# Altium PCB Mother_board_SSL2018.PcbDoc (part 2 of 2)
Units mm, origin at the board's own origin, x right, y up, seen from the top; angles counter-clockwise.
Board outline 169 x 150.57 mm, 2 copper layers (Top Layer, Bottom Layer), stack 1.57 mm thick; 100 components, 103 nets, 445 pads, 331 vias.
Unrouted connection lines stored in the file: 4.
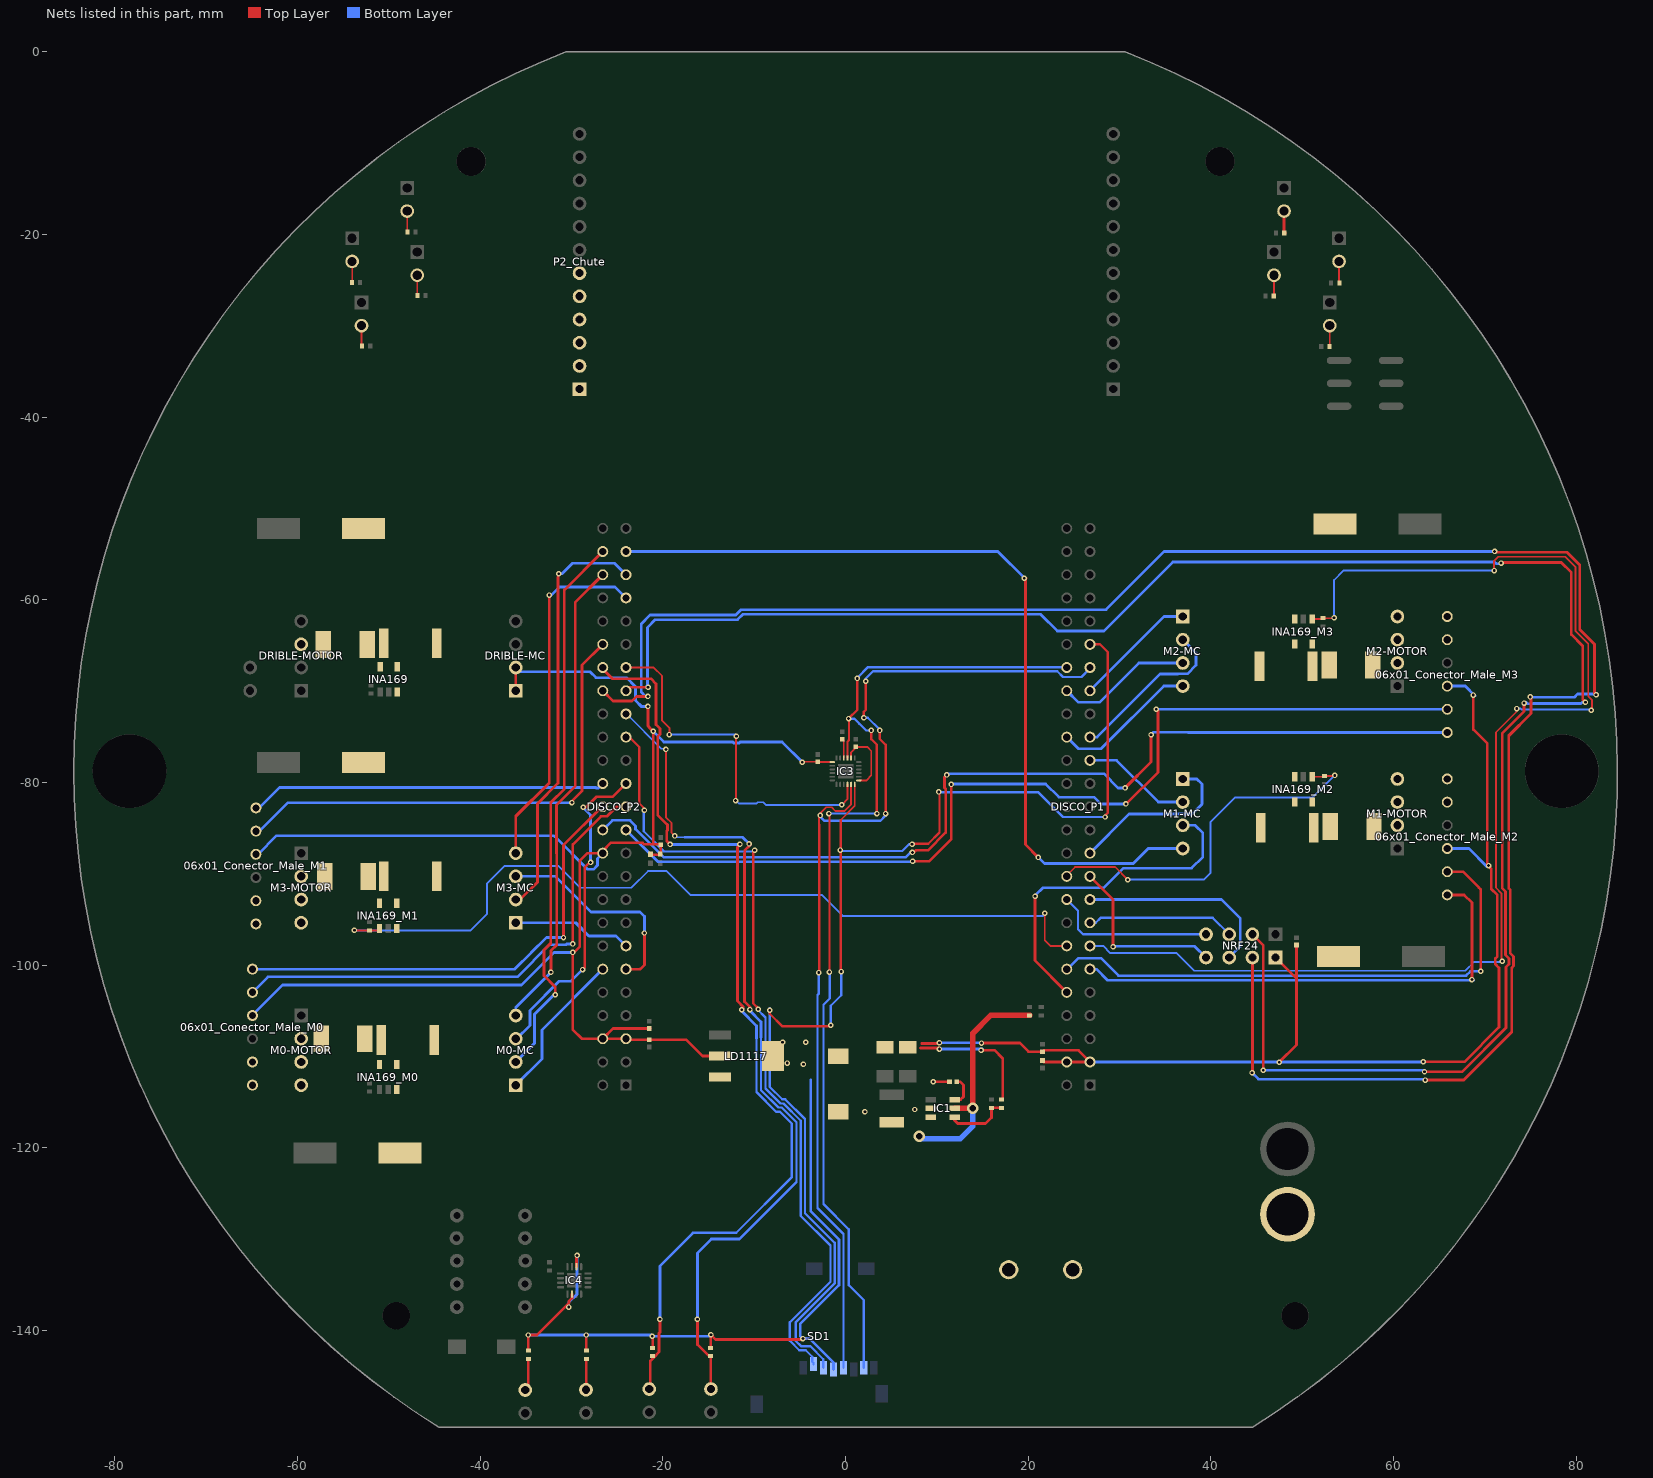
[diagram p2: the nets of this part, all layers, seen from the top]

## Via types
v1: diameter 0.6, hole 0.3, Top Layer to Bottom Layer, 167 vias
v2: diameter 0.8, hole 0.6, Top Layer to Bottom Layer, 160 vias
v3: diameter 1.27, hole 0.711, Top Layer to Bottom Layer, 4 vias

## Nets (pads, with @x,y where several pads share a name; then routed paths per layer and width w, separated by ;. In a path a pad name is that pad's centre, name@x,y a point inside that pad or via, vN(x,y) a via of type N, cw(c..) or ccw(c..) an arc to the next point about the centre after c; other vN are vias at no path point) (continued)
M0_ENCA: 06x01_Conector_Male_M0.2 DISCO_P2.25 | length 55.7
  Top Layer w0.3: v1(-29.863,-97.674) -29.863,-89.102 -29.863,-86.763 -26.802,-83.702 -26.153,-83.702 -25.103,-82.651 DISCO_P2.25@-24.048,-82.651
  Bottom Layer w0.3: 06x01_Conector_Male_M0.2@-64.942,-102.971 -63.242,-101.271 -35.927,-101.271 -32.402,-97.746 -30.602,-97.746 -30.53,-97.674 v1(-29.863,-97.674)
M0_ENCB: 06x01_Conector_Male_M0.1 DISCO_P2.26 | length 51.6
  Top Layer w0.3: v1(-30.888,-96.971) -30.888,-86.856 -26.683,-82.651 DISCO_P2.26@-26.588,-82.651
  Bottom Layer w0.3: 06x01_Conector_Male_M0.1@-64.942,-100.431 -36.223,-100.431 -34.413,-98.621
  Bottom Layer w0.32: -34.413,-98.621 -32.763,-96.971 v1(-30.888,-96.971)
M0_MAH: DISCO_P2.46 M0-MC.0 | length 52.4
  Top Layer w0.3: v1(-32.263,-100.771) -32.263,-98.407 -31.625,-97.769 -31.625,-97.295 -31.638,-97.282 -31.638,-96.661 -31.625,-96.648 -31.625,-87.759 -31.65,-87.734 -31.65,-82.458 -29.608,-80.416 -29.608,-60.271 DISCO_P2.46@-26.588,-57.251
  Bottom Layer w0.3: M0-MC.0@-36.113,-105.511 -36.113,-104.621 v1(-32.263,-100.771) v1@-32.263,-100.621
M0_MAL: DISCO_P2.27 M0-MC.1 | length 35.6
  Top Layer w0.3: v1(-28.8,-100.475) -28.575,-100.25 -28.575,-89.3 v1@-27.975,-88.7 ; v1(-28.725,-82.7) -28.4,-82.7 -27.25,-81.55 -25.487,-81.55 DISCO_P2.27@-24.048,-80.111
  Bottom Layer w0.3: M0-MC.1@-36.113,-108.051 -36.026,-108.051 -34.563,-106.588 -34.563,-104.961 -31.352,-101.75 -30.075,-101.75 v1(-28.8,-100.475) ; v1@-28.7,-82.775 -27.925,-83.55 v1(-27.925,-88.75)
M0_MBH: DISCO_P2.48 M0-MC.2 | length 61.6
  Top Layer w0.3: v1(-31.788,-103.246) -31.788,-102.371 -33.013,-101.146 -33.013,-98.321 -32.288,-97.596 -32.288,-82.196 -30.793,-80.701 -30.793,-58.916 DISCO_P2.48@-26.588,-54.711
  Bottom Layer w0.3: M0-MC.2@-35.608,-110.591 M0-MC.2@-36.113,-110.591 -34.063,-108.541 -34.063,-105.371 -31.788,-103.096 v1(-31.788,-103.246)
M0_MBL: DISCO_P2.12 M0-MC.3 | length 16.6
  Bottom Layer w0.3: M0-MC.3@-36.113,-113.131 -33.238,-110.256 -33.238,-107.081 DISCO_P2.12@-26.588,-100.431
M1_CUR: DISCO_P1.14 INA169_M1.1 R10_M1.2 | length 92.5
  Top Layer w0.2: v1(-53.782,-96.182) R10_M1.2@-52.115,-96.182 -51.251,-96.182 INA169_M1.1@-51.033,-95.964 ; v1(21.8,-94.3) 21.8,-97.275 22.416,-97.891 DISCO_P1.14@24.212,-97.891
  Bottom Layer w0.2: v1(-53.782,-96.182) -41.057,-96.182 -39.275,-94.4 -39.275,-91.075 -37.321,-89.121 -31.454,-89.121 -29.05,-91.525 -23.45,-91.525 -23.45,-91.51 -21.64,-89.7 -19.6,-89.7 -16.997,-92.303 -2.622,-92.303 -0.325,-94.6 21.6,-94.6
M1_ENCA: 06x01_Conector_Male_M1.2 DISCO_P2.40 | length 54.5
  Top Layer w0.3: v1(-29.963,-82.196) -29.963,-82.027 -28.863,-80.927 -28.863,-67.146 DISCO_P2.40@-26.588,-64.871
  Bottom Layer w0.3: 06x01_Conector_Male_M1.2@-64.561,-85.318 -64.185,-85.318 -61.088,-82.221 v1@-30.038,-82.221
M1_ENCB: 06x01_Conector_Male_M1.1 DISCO_P2.28 | length 39.1
  Bottom Layer w0.3: 06x01_Conector_Male_M1.1@-64.561,-82.778 -64.22,-82.778 -61.992,-80.55 -27.346,-80.55 -27.294,-80.603 -27.079,-80.603 DISCO_P2.28@-26.588,-80.111
M1_MAH: DISCO_P2.43 M3-MC.0 | length 39.1
  Top Layer w0.3: M3-MC.0@-36.113,-87.731 -36.113,-83.696 -32.438,-80.021 v1(-32.438,-59.471) v1@-32.438,-59.396
  Bottom Layer w0.3: v1(-32.438,-59.471) -32.213,-59.471 -31.338,-58.596 -25.243,-58.596 DISCO_P2.43@-24.048,-59.791
M1_MAL: DISCO_P2.11 M3-MC.1 | length 23.2
  Top Layer w0.3: DISCO_P2.11@-24.048,-100.431 -22.475,-100.431 -22.475,-100.425 -22.025,-99.975 v1@-22.025,-96.675
  Bottom Layer w0.3: M3-MC.1@-36.113,-90.271 -31.779,-90.271 -27.879,-94.171 -22.5,-94.171 -22.025,-94.646 v1(-22.025,-96.475)
M1_MBH: DISCO_P2.45 M3-MC.2 | length 45.9
  Top Layer w0.3: M3-MC.2@-36.113,-92.811 -35.628,-92.811 -33.738,-90.921 -33.738,-82.321 -31.488,-80.071 -31.488,-57.496
  Bottom Layer w0.3: v1(-31.413,-57.146) -31.063,-57.146 -29.913,-55.996 -25.303,-55.996 DISCO_P2.45@-24.048,-57.251
M1_MBL: DISCO_P2.13 M3-MC.3 | length 13.1
  Bottom Layer w0.32: M3-MC.3@-36.113,-95.351 -29.558,-95.351 -28.113,-96.796 -25.143,-96.796 DISCO_P2.13@-24.048,-97.891
M2_CUR: DISCO_P1.20 INA169_M2.1 R10_M2.2 | length 40.7
  Top Layer w0.2: DISCO_P1.20@24.212,-90.271 24.212,-90.163 25.125,-89.25 29.5,-89.25 v1(30.9,-90.65) ; INA169_M2.1@51.07,-79.371 52.315,-79.371 R10_M2.2@52.406,-79.28 v1@53.471,-79.28
  Bottom Layer w0.2: v1@31.025,-90.625 39.225,-90.625 39.95,-89.9 39.95,-84.3 42.6,-81.65 51.108,-81.65 v1(53.537,-79.221)
M2_ENCA: 06x01_Conector_Male_M2.2 DISCO_P1.12 | length 60.3
  Top Layer w0.3: 06x01_Conector_Male_M2.2@65.868,-89.763 67.604,-89.763 69.337,-91.496 69.325,-91.508 69.525,-91.708 v1(69.525,-100.675)
  Bottom Layer w0.3: DISCO_P1.12@24.212,-100.431 24.294,-100.431 25.5,-99.225 27.95,-99.225 29.871,-101.146 67.933,-101.146 68.405,-100.675 v1(69.525,-100.675)
M2_ENCB: 06x01_Conector_Male_M2.1 DISCO_P1.11 | length 54
  Top Layer w0.3: 06x01_Conector_Male_M2.1@65.868,-92.303 67.719,-92.303 68.567,-93.151 v1(68.567,-101.574)
  Bottom Layer w0.3: DISCO_P1.11@26.752,-100.431 27.447,-100.431 28.662,-101.646 v1@68.751,-101.646
M2_MAH: DISCO_P2.47 M1-MC.0 | length 92.9
  Top Layer w0.3: v1@19.737,-57.621 19.687,-57.671 19.687,-86.796 v1(21.087,-88.196)
  Bottom Layer w0.3: DISCO_P2.47@-24.048,-54.711 16.652,-54.711 v1(19.562,-57.621) ; v1@21.012,-88.096 21.787,-88.871 31.487,-88.871 33.135,-87.223 M1-MC.0@36.912,-87.223
M2_MAL: DISCO_P1.10 M1-MC.1 | length 37.2
  Top Layer w0.3: v1(20.737,-92.446) 20.737,-99.496 DISCO_P1.10@24.212,-102.971
  Bottom Layer w0.3: v1@20.787,-92.321 21.583,-91.525 28.25,-91.525 30.404,-89.371 37.887,-89.371 39.112,-88.146 39.112,-85.521 38.274,-84.683 M1-MC.1@36.912,-84.683
M2_MBH: DISCO_P1.29 M1-MC.2 | length 12.1
  Bottom Layer w0.3: DISCO_P1.29@26.752,-77.571 29.662,-77.571 34.234,-82.143 M1-MC.2@36.912,-82.143
M2_MBL: DISCO_P1.21 M1-MC.3 | length 19
  Bottom Layer w0.32: DISCO_P1.21@26.752,-87.731 31.037,-83.446 37.937,-83.446 39.012,-82.371 39.012,-80.171 38.444,-79.603 M1-MC.3@36.912,-79.603
M3_CUR: DISCO_P1.13 INA169_M3.1 R10_M3.2 | length 135
  Top Layer w0.2: INA169_M3.1@51.07,-62.099 52.188,-62.099 R10_M3.2@52.279,-62.008 v1@53.399,-62.008 ; v1(71,-56.8) 70.975,-56.775 70.975,-55.765 71.462,-55.278 78.778,-55.278 79.9,-56.4 79.9,-63.4 81.3,-64.8 81.3,-70.535 81.7,-70.935 81.7,-72 v1(81.625,-72.075) ; v1(71.875,-99.575) 71.8,-99.5 71.8,-92.123 71.2,-91.523 71.2,-74.5 73.475,-72.225 v1(73.475,-71.9)
  Bottom Layer w0.2: DISCO_P1.13@26.752,-97.891 28.202,-97.891 28.985,-98.675 36.25,-98.675 38.175,-100.6 67.843,-100.6 68.793,-99.65 71.575,-99.65 ; v1(53.475,-61.95) 53.475,-57.825 54.5,-56.8 v1(71,-56.8) ; v1(73.475,-71.9) 73.885,-71.9 73.985,-72 81.55,-72 v1(81.625,-72.075)
M3_ENCA: 06x01_Conector_Male_M3.2 DISCO_P2.23 | length 108.2
  Top Layer w0.3: v1(7.325,-88.625) 9.125,-88.625 11.575,-86.175 v1(11.575,-80.214) ; v1@30.712,-82.371 34.187,-78.896 34.187,-72.146 v1(34.012,-71.971)
  Bottom Layer w0.3: DISCO_P2.23@-24.193,-85.296 DISCO_P2.23@-23.943,-85.296 ; DISCO_P2.23@-24.048,-85.191 DISCO_P2.23@-23.943,-85.296 ; v1(7.325,-88.625) 7.33,-88.625 7.38,-88.675 -20.564,-88.675 DISCO_P2.23@-23.943,-85.296 ; v1@11.6,-80.15 21.9,-80.15 23.351,-81.601 27.187,-81.601 27.932,-82.346 v1(30.687,-82.346) ; v1(34.012,-71.971) 37.525,-71.971 37.537,-71.983 06x01_Conector_Male_M3.2@65.868,-71.983
M3_ENCB: 06x01_Conector_Male_M3.1 DISCO_P2.24 | length 107
  Top Layer w0.3: v1(7.316,-87.654) 7.354,-87.654 7.4,-87.7 7.675,-87.425 9,-87.425 10.95,-85.475 10.95,-80.714 10.825,-80.589 10.825,-79.408 v1(11.062,-79.171) ; v1@30.612,-80.571 33.437,-77.746 v1(33.437,-74.771)
  Bottom Layer w0.3: DISCO_P2.24@-26.588,-85.191 -25.538,-84.141 -23.613,-84.141 -22.998,-84.757 -22.998,-85.102 -19.925,-88.175 6.589,-88.175 7.114,-87.65 7.119,-87.654 v1(7.316,-87.654) ; v1@11.262,-79.096 11.333,-79.025 28.266,-79.025 29.837,-80.596 v1(30.587,-80.596) ; v1(33.437,-74.771) 33.712,-74.496 37.458,-74.496 37.485,-74.523 06x01_Conector_Male_M3.1@65.868,-74.523
M3_MAH: DISCO_P1.32 M2-MC.0 | length 16.1
  Bottom Layer w0.3: DISCO_P1.32@24.212,-75.031 25.487,-76.306 27.977,-76.306 34.84,-69.443 M2-MC.0@36.912,-69.443
M3_MAL: DISCO_P1.36 M2-MC.1 | length 15
  Bottom Layer w0.3: DISCO_P1.36@24.212,-69.951 25.482,-71.221 27.787,-71.221 32.105,-66.903 M2-MC.1@36.912,-66.903
M3_MBH: DISCO_P1.31 M2-MC.2 | length 18.3
  Bottom Layer w0.3: DISCO_P1.31@26.752,-75.031 27.527,-75.031 34.437,-68.121 36.397,-68.121 36.415,-68.103 37.409,-68.103 38.362,-67.151 38.362,-65.813 M2-MC.2@36.912,-64.363
M3_MBL: DISCO_P1.35 M2-MC.3 | length 13.5
  Bottom Layer w0.3: DISCO_P1.35@26.752,-69.951 26.752,-69.931 34.86,-61.823 M2-MC.3@36.912,-61.823
MA_M0: 06x01_Conector_Male_M0.5 M0-MOTOR.1
MA_M1: 06x01_Conector_Male_M1.5 M3-MOTOR.1
MA_M2: 06x01_Conector_Male_M2.5 M1-MOTOR.1
MA_M3: 06x01_Conector_Male_M3.5 M2-MOTOR.1
MB_M0: 06x01_Conector_Male_M0.6 M0-MOTOR.0
MB_M1: 06x01_Conector_Male_M1.6 M3-MOTOR.0
MB_M2: 06x01_Conector_Male_M2.6 M1-MOTOR.0
MB_M3: 06x01_Conector_Male_M3.6 M2-MOTOR.0
MPU_CS: DISCO_P2.37 IC3.22 | length 40
  Top Layer w0.2: DISCO_P2.37@-24.048,-67.411 -21.023,-67.411 -20.1,-68.334 -20.1,-73.225 -19.3,-74.025 v1(-19.3,-74.75) ; v1(-12.05,-81.975) -12,-81.925 -12,-74.975 v1(-11.95,-74.925) ; v1(-0.425,-82.425) -0.393,-82.425 0.2,-81.832 IC3.22@0.2,-80.214
  Bottom Layer w0.2: v1(-19.3,-74.75) -12.125,-74.75 v1(-11.95,-74.925) ; v1@-12,-81.975 -11.675,-82.3 -9.765,-82.3 -9.615,-82.15 -9.035,-82.15 -8.71,-82.475 -0.475,-82.475 v1(-0.425,-82.425)
NetBAT_0: BAT.0 SW.0
NetC1_1: C1.1 IC1.6 | length 3.3
  Top Layer w0.3: IC1.6@11.923,-114.721 12.589,-114.721 12.909,-114.401 12.909,-113.131 12.528,-112.75 C1.1@12.166,-112.75
NetC1_2: C1.2 IC1.2 L1.1 | length 1.8
  Top Layer w0.3: v1(9.607,-112.75) C1.2@11.366,-112.75
  other v1: 2.114,-116.052 7.575,-115.798
NetC1_M0_2: FM_M0.1 M0-MOTOR.2
NetC1_M1_2: FM_M1.1 M3-MOTOR.2
NetC1_M2_2: FM_M2.1 M1-MOTOR.2
NetC1_M3_2: FM_M3.1 M2-MOTOR.2
NetC5_1: C5.1 IC3.10 | length 2
  Top Layer w0.2: IC3.10@-0.2,-77.318 C5.1@-0.2,-75.325
NetC7_1: C7.1 IC3.1 IC3.8 | length 7.5
  Top Layer w0.2: IC3.8@0.6,-77.314 0.6,-76.697 1.197,-76.1 2.35,-76.1 2.8,-76.55 2.8,-79.225 2.3,-79.765 IC3.1@1.5,-79.765
NetCON_DM_1: DF.1 DRIBLE-MOTOR.1
NetDF_2: DF.2 INA169.5 RD1.1
NetFM_M0_2: FM_M0.2 INA169_M0.5 R11_M0.1
NetFM_M1_2: FM_M1.2 INA169_M1.5 R11_M1.1
NetFM_M2_2: FM_M2.2 INA169_M2.5 R11_M2.1
NetFM_M3_2: FM_M3.2 INA169_M3.5 R11_M3.1
NetIC1_4: IC1.4 R1.1 R2.2 | length 7
  Top Layer w0.3: IC1.4@11.923,-116.621 11.923,-116.971 12.274,-117.322 15.322,-117.322 15.957,-116.687 R2.2@15.957,-115.613 R1.1@17.061,-115.613
NetLED1_2: LED1.2 RL1.2 | length 3.4
  Top Layer w0.3: LED1.2@-34.737,-146.455 RL1.2@-34.737,-143.095
NetLED2_2: LED2.2 RL2.2 | length 3.4
  Top Layer w0.3: LED2.2@-28.387,-146.455 RL2.2@-28.387,-143.095
NetLED_BALL_L_2: LED_BALL_L.2 R29.2 | length 2.3
  Top Layer w0.2: R29.2@52.975,-32.25 53,-32.225 LED_BALL_L.2@53,-29.983
NetLED_BALL_R_2: LED_BALL_R.2 R30.2 | length 2.3
  Top Layer w0.2: LED_BALL_R.2@-53,-29.983 -53,-32.175 R30.2@-52.95,-32.225
NetLED_COM_L_2: LED_COM_L.2 R31.2 | length 2.4
  Top Layer w0.3: LED_COM_L.2@48,-17.441 48,-19.7 R31.2@48.125,-19.825
NetLED_COM_R_2: LED_COM_R.2 R32.2 | length 2.3
  Top Layer w0.2: LED_COM_R.2@-48,-17.441 -48,-19.7 R32.2@-47.975,-19.725
NetLED_GREEN_L_2: LED_GRE_L.2 R33.2 | length 2.3
  Top Layer w0.2: R33.2@46.875,-26.75 46.9,-26.725 LED_GRE_L.2@46.9,-24.46
NetLED_GREEN_R_2: LED_GRE_R.2 R34.2 | length 2.3
  Top Layer w0.2: LED_GRE_R.2@-46.9,-24.46 -46.9,-26.675 R34.2@-46.875,-26.7
NetLED_ORANGE_L_2: LED_ORA_L.2 R35.2 | length 2.4
  Top Layer w0.2: LED_ORA_L.2@54.025,-22.945 54.025,-25.275 R35.2@54.05,-25.3
NetLED_ORANGE_R_2: LED_ORA_R.2 R36.2 | length 2.3
  Top Layer w0.2: R36.2@-54.05,-25.275 -54.025,-25.25 LED_ORA_R.2@-54.025,-22.945
NRF_CE: DISCO_P2.35 NRF24.2 | length 218.2
  Top Layer w0.3: DISCO_P2.35@-24.048,-69.951 -23.672,-69.575 v1(-21.625,-69.575) ; NRF24.2@44.532,-96.621 45.732,-97.821 v1@45.732,-111.45 ; v1(63.375,-111.675) 67.475,-111.675 72.3,-106.85 72.3,-100.211 72.625,-99.886 72.625,-99.264 72.25,-98.889 72.25,-91.937 71.875,-91.562 71.875,-74.625 74.275,-72.225 v1(74.275,-71.3) ; v1(71.754,-55.978) 71.709,-55.978 71.631,-55.9 78.35,-55.9 79.45,-57 79.45,-63.8 80.7,-65.05 80.7,-70.925 v1(81,-71.225)
  Bottom Layer w0.3: v1@-21.775,-69.45 -21.7,-69.375 -21.7,-63.025 -20.846,-62.171 -11.82,-62.171 -11.224,-61.575 21.35,-61.575 23.175,-63.4 28.275,-63.4 35.825,-55.85 71.05,-55.85 71.25,-56.05 71.681,-56.05 v1(71.754,-55.978) ; v1(45.725,-111.5) v1@63.4,-111.5 ; v1(74.275,-71.3) 74.464,-71.3 74.514,-71.25 74.639,-71.375 75.261,-71.375 75.286,-71.35 80.514,-71.35 80.639,-71.225 v1(81,-71.225)
NRF_CS#: DISCO_P2.36 NRF24.6 | length 225
  Top Layer w0.3: DISCO_P2.36@-26.588,-69.951 -25.464,-71.075 -23.4,-71.075 -22.9,-70.575 v1(-21.64,-70.575) ; v1@44.532,-111.725 NRF24.6@44.532,-99.161 ; v1(63.453,-112.58) 67.67,-112.58 72.925,-107.325 72.925,-100.293 73.125,-100.093 73.125,-99.057 72.75,-98.682 72.75,-91.73 72.6,-91.58 72.6,-74.875 75.025,-72.45 75.025,-70.75 74.9,-70.625 v1(74.95,-70.625) ; v1(71.05,-54.7) 71.125,-54.775 78.95,-54.775 80.375,-56.2 80.375,-63.239 82,-64.864 82,-70.225 v1@82.275,-70.5
  Bottom Layer w0.3: v1(-21.64,-70.575) -21.9,-70.575 -22.375,-70.1 -22.375,-62.625 -21.421,-61.671 -12.027,-61.671 -11.431,-61.075 28.525,-61.075 34.925,-54.675 34.95,-54.7 v1(71.05,-54.7) ; v1(44.5,-111.775) 45.2,-112.475 63.348,-112.475 v1(63.453,-112.58) ; v1(74.95,-70.625) 75,-70.675 79.768,-70.675 80.143,-70.3 82.225,-70.3 82.154,-70.371 v1(82.154,-70.378)
NRF_IRQ: DISCO_P1.19 NRF24.4 | length 19.4
  Top Layer w0.3: DISCO_P1.19@26.752,-90.271 29.275,-92.794 v1(29.275,-97.975)
  Bottom Layer w0.3: v1@29.337,-97.871 29.387,-97.921 38.212,-97.921 NRF24.4@39.452,-99.161
S1: DISCO_P2.33 RS1.1 SEN1.2 | length 94.1
  Top Layer w0.2: v1(-19.675,-76.375) -19.675,-83.814 -19.063,-84.426 -19.063,-84.875 ; -19.063,-84.925 -19.063,-85.487 v1(-18.7,-85.85)
  Top Layer w0.3: v1@-16.207,-138.775 -16.207,-141.543 -14.925,-142.825 -14.809,-142.825 RS1.1@-14.775,-142.791 SEN1.2@-14.775,-146.278 ; v1(-10.476,-104.855) -10.476,-104.587 -11.075,-103.988 -11.075,-87.811 -11.05,-87.786 -11.05,-87.439 -10.425,-86.814 -10.425,-86.725 v1(-10.575,-86.725) -10.575,-86.654 -10.536,-86.614 v1@-10.461,-86.614
  Bottom Layer w0.2: DISCO_P2.33@-24.048,-72.491 -23.993,-72.491 -20.188,-76.296 v1@-19.6,-76.296 ; v1(-18.7,-85.85) -18.55,-86 -17.6,-86
  Bottom Layer w0.255: -11.625,-129.975 -5.383,-123.733 -5.383,-117.204 -6.999,-115.588 -7.356,-115.588 -9.257,-113.686 -9.257,-107.925
  Bottom Layer w0.3: -17.6,-86 -11.264,-86 -10.539,-86.725 v1(-10.575,-86.725) ; v1(-16.225,-138.75) -16.225,-131.5 -14.7,-129.975 -11.625,-129.975 ; v1(-10.476,-104.855) -10.476,-104.985 -9.257,-106.203 -9.257,-107.925
S2: DISCO_P2.38 RS2.1 SEN2.2 | length 104.8
  Top Layer w0.3: DISCO_P2.38@-26.588,-67.411 -26.588,-67.587 -25.55,-68.625 -21.325,-68.625 -20.75,-69.2 -20.75,-73.664 -20.325,-74.089 -20.325,-74.711 -20.575,-74.961 -20.575,-83.55 -19.55,-84.575 -19.55,-84.577 -19.513,-84.614 -19.513,-85.236 -19.575,-85.298 -19.575,-86.425 v1(-19.225,-86.775) ; SEN2.2@-21.382,-146.276 -21.382,-143.325 -21.15,-143.125 ; RS2.1@-21.125,-142.791 -21.15,-143.125 ; v1(-20.325,-138.75) -20.325,-140.2 -20.432,-140.307 -20.425,-140.314 -20.425,-142.324 -20.432,-142.331 -20.973,-142.929 -21.15,-143.125 ; v1(-11.575,-86.75) -11.575,-86.825 -11.85,-87.1 -11.85,-103.92 -11.226,-104.544 -11.226,-104.73 v1(-11.376,-104.88)
  Bottom Layer w0.255: -11.982,-129.3 -5.883,-123.2 -5.883,-117.347 -7.187,-116.043 -7.608,-116.043 -9.757,-113.893 -9.757,-108.035
  Bottom Layer w0.3: v1(-20.325,-138.75) -20.325,-132.925 -16.7,-129.3 -11.982,-129.3 ; v1(-19.225,-86.775) -11.7,-86.775 -11.65,-86.825 v1(-11.575,-86.75) ; v1(-11.376,-104.88) -11.376,-105.024 -9.757,-106.643 -9.757,-108.035
SPI1_MISO: DISCO_P1.18 NRF24.0 | length 18
  Bottom Layer w0.255: DISCO_P1.18@24.212,-92.811 25.437,-94.036 25.437,-96.071 25.987,-96.621 NRF24.0@39.452,-96.621
SPI1_MOSI: DISCO_P1.17 NRF24.5 | length 22.1
  Bottom Layer w0.3: DISCO_P1.17@26.752,-92.811 41.152,-92.811 43.192,-94.851 43.192,-97.961 NRF24.5@41.992,-99.161
SPI1_SCK: DISCO_P1.15 NRF24.1 | length 16.2
  Bottom Layer w0.255: DISCO_P1.15@26.752,-95.351 27.382,-95.351 27.912,-94.821 40.192,-94.821 NRF24.1@41.992,-96.621
SPI2.MISO: DISCO_P1.38 IC3.9 SD1.7 | length 113
  Top Layer w0.2: IC3.9@0.2,-77.314 0.2,-75.5
  Top Layer w0.255: v1(-1.825,-83.4) -1.775,-83.45 v1(-1.775,-100.75) ; 0.228,-75.5 0.375,-75.352 v1@0.375,-72.95 ; v1(0.325,-73) v1@0.375,-72.95 ; v1(1.275,-68.6) 1.275,-72.05 v1@0.375,-72.95 ; v1(2.8,-74.3) 2.8,-75.25 3.425,-75.875 v1(3.425,-83.4)
  Bottom Layer w0.255: v1(-1.825,-83.4) v1(3.425,-83.4) ; v1@-1.725,-100.75 -1.725,-103.625 -2.42,-104.32 -2.42,-126.155 0.35,-128.925 0.35,-135.025 1.974,-136.649 SD1.7@1.974,-144.07 ; v1(0.325,-73) 0.954,-73 1.004,-73.05 1.501,-73.548 2.254,-74.3 v1(2.8,-74.3) ; v1@1.35,-68.475 2.459,-67.366 24.167,-67.366 DISCO_P1.38@24.212,-67.411
SPI2.MOSI: DISCO_P1.39 IC3.24 SD1.3 | length 136.9
  Top Layer w0.2: -0.55,-84.106 1,-82.556 1,-82.475 IC3.24@1,-80.214
  Top Layer w0.255: v1(-8.3,-104.925) -8.3,-105.325 -6.925,-106.7 -1.725,-106.7 v1@-1.65,-106.625 ; v1@-0.55,-100.5 -0.55,-84.106 ; v1@7.425,-86.7 9.05,-86.7 10.278,-85.472 10.278,-81.102 v1(10.2,-81.025) ; DISCO_P1.39@26.752,-64.871 27.846,-64.871 28.7,-65.725 28.7,-83.325 28.4,-83.625 v1(28.4,-83.775)
  Bottom Layer w0.255: v1@-8.325,-104.725 -8.325,-113.3 -6.947,-114.678 -6.622,-114.678 -4.45,-116.85 -4.45,-127.15 -1.208,-130.392 -1.208,-134.835 -5.475,-139.102 -5.475,-141.104 -4.879,-141.7 -3.883,-141.7 -2.45,-143.133 -2.45,-144.046 SD1.3@-2.426,-144.07 ; v1(-1.625,-106.575) -1.625,-104.45 -0.475,-103.3 v1(-0.475,-100.7) ; v1@-0.55,-87.5 6.2,-87.5 6.946,-86.754 v1(7.275,-86.754) ; v1@10.1,-81.05 21.075,-81.05 23.8,-83.775 v1(28.4,-83.775)
  other v1: -0.575,-87.4
SPI2.SCK: DISCO_P1.37 IC3.23 SD1.5 | length 117.9
  Top Layer w0.2: -2.9,-84.55 -2.9,-83.485 -2.115,-82.7 -1.535,-82.7 -1.11,-83.125 -0.135,-83.125 0.6,-82.39 IC3.23@0.6,-80.214
  Top Layer w0.255: v1(-2.95,-100.8) -2.9,-100.75 -2.9,-84.6 ; v1(2,-72.9) 2,-72.25 2.2,-72.05 v1(2.2,-68.9) ; v1(3.725,-74.3) 3.725,-75.225 4.375,-75.875 v1(4.375,-83.4)
  Bottom Layer w0.255: v1(-2.95,-100.8) -2.95,-103.125 -3.075,-103.25 -3.075,-126.575 -0.226,-129.424 SD1.5@-0.226,-144.07 ; v1(-2.775,-83.6) -2.9,-83.6 -2.3,-84.2 3.8,-84.2 4.375,-83.625 v1(4.375,-83.4) ; v1(2,-72.9) 2.429,-72.9 3.725,-74.196 v1(3.725,-74.3) ; v1@2.175,-68.648 3.003,-67.821 23.168,-67.821 23.786,-68.439 25.811,-68.439 26.752,-67.498 DISCO_P1.37@26.752,-67.411
uSD_CS: DISCO_P2.31 SD1.2 | length 88
  Top Layer w0.255: DISCO_P2.31@-24.048,-75.031 -23.694,-75.031 -22.6,-76.125 -22.6,-82.276 v1@-21.85,-83.026 ; v1(-9.975,-87.425) -10.102,-87.552 -10.102,-104.199 -9.748,-104.554 -9.748,-104.652 v1(-9.575,-104.825)
  Bottom Layer w0.255: v1(-22.025,-83.026) -22.1,-83.101 -22.1,-85.325 -19.872,-87.552 -10.102,-87.552 v1(-9.975,-87.425) ; v1(-9.575,-104.825) -9.675,-104.825 -8.78,-105.72 -8.78,-113.488 -7.136,-115.133 -6.81,-115.133 -4.905,-117.038 -4.905,-127.445 -1.663,-130.687 -1.663,-134.646 -6.1,-139.083 -6.1,-141.122 -5.067,-142.155 -4.37,-142.155 -3.65,-142.875 -3.65,-143.433 -3.526,-143.557 SD1.2@-3.526,-143.67
VBAT: C4.2 CD.1 CM1_M0.1 CM1_M1.1 CM1_M2.1 CM1_M3.1 IC1.3 IC1.5 INA169.3 INA169.4 INA169_M0.3 INA169_M0.4 INA169_M1.3 INA169_M1.4 INA169_M2.3 INA169_M2.4 INA169_M3.3 INA169_M3.4 LD1117.3 P2_Chute.1 P2_Chute.2 P2_Chute.3 P2_Chute.4 P2_Chute.5 P2_Chute.6 R3.2 R11_M0.2 R11_M1.2 R11_M2.2 R11_M3.2 RD1.2 SW.1 | length 25.7
  Top Layer w0.6: IC1.5@11.923,-115.671 v3(13.925,-115.671) 13.925,-107.45 15.886,-105.489 R3.2@20.148,-105.489
  Bottom Layer w0.6: v3(8.075,-118.746) 8.304,-118.975 12.575,-118.975 13.925,-117.625 v3(13.925,-115.671)
VCC: 06x01_Conector_Male_M0.3 06x01_Conector_Male_M1.3 06x01_Conector_Male_M2.3 06x01_Conector_Male_M3.3 C2.2 C3.2 C6.1 DISCO_P1.3 DISCO_P1.4 DISCO_P2.5 DISCO_P2.6 DISCO_P2.22 DRIBLE-MC.2 DRIBLE-MC.3 IC3.13 IC4.6 IC4.14 L1.2 LD1117.2 LD1117.4 MC_C1.2 MC_C2.2 MC_C3.1 MC_C4.2 MC_C5.2 MC_R1.2 MC_R2.2 NRF24.7 NRF_C1.1 R1.2 RL1.1 RL2.1 RS1.2 RS2.2 SD1.4 | length 424.6
  Top Layer w0.2: v1@-4.475,-77.725 C6.1@-3.05,-77.725 ; C6.1@-3,-77.764 IC3.13@-1.5,-77.764
  Top Layer w0.3: DRIBLE-MC.3@-36.113,-69.951 DRIBLE-MC.2@-36.113,-67.411 ; RL1.1@-34.737,-142.195 v1(-34.737,-140.486) -33.786,-140.486 -30.275,-136.975 -30.275,-136.77 -29.96,-136.455 IC4.14@-29.96,-136.008 ; IC4.6@-29.46,-133.008 v1@-29.46,-131.91 ; RL2.1@-28.387,-142.195 -28.387,-140.867 ; v1(-21.64,-71.675) -21.64,-73.785 -21.5,-73.925 -21.525,-73.95 v1(-21.075,-74.4) -21.075,-86.771 -22.087,-86.771 -22.27,-86.588 -25.699,-86.588 -26.588,-87.477 DISCO_P2.22@-26.588,-87.731 -28.281,-87.731 -29.1,-88.55 -29.1,-97.971 -29.725,-98.596 v1(-29.863,-98.596) -29.863,-107.071 -28.883,-108.051 DISCO_P2.6@-26.588,-108.051 ; MC_C4.2@-21.381,-106.927 MC_C4.2@-21.508,-106.927 -25.464,-106.927 DISCO_P2.6@-26.588,-108.051 ; MC_R2.2@-21.363,-87.846 -21.313,-87.896 -20.263,-87.896 -20.238,-87.871 MC_C1.2@-20.238,-86.821 -20.288,-86.771 -21.025,-86.771 ; RS2.2@-21.125,-141.891 v1@-21.125,-140.65 ; RS1.2@-14.775,-141.891 -14.775,-140.75 ; v1@-14.775,-140.4 -14.775,-140.75 ; v1(-14.75,-140.45) -14.225,-140.975 -4.775,-140.975 v1(-4.675,-140.875) ; v1@-14.65,-140.625 -14.775,-140.75 ; LD1117.2@-13.761,-109.942 -15.68,-109.942 -17.471,-108.151 -23.948,-108.151 DISCO_P2.5@-24.048,-108.051 DISCO_P2.6@-26.588,-108.051 ; 8.21,-109.067 v1@10.275,-109.067 ; 8.337,-108.559 v1@10.35,-108.559 ; v1(14.825,-109.3) 16.3,-109.3 17.2,-110.2 17.2,-114.575 R1.2@17.061,-114.713 ; v1(14.875,-108.525) 19.083,-108.525 20.025,-109.467 MC_C2.2@21.545,-109.467 21.691,-109.321 25.482,-109.321 DISCO_P1.3@26.752,-110.591 DISCO_P1.4@24.212,-110.591 21.691,-110.591 MC_C3.1@21.545,-110.445 ; NRF24.7@47.072,-99.161 49.358,-101.447 ; v1(47.462,-110.621) 49.358,-108.725 49.358,-101.447 ; NRF_C1.1@49.358,-97.783 49.358,-101.447 ; v1(63.225,-110.575) 67.733,-110.575 71.525,-106.783 71.525,-100.286 71.125,-99.886 71.125,-99.264 71.35,-99.039 71.35,-92.309 70.687,-91.646 70.687,-89.446 70.387,-89.146 v1(70.387,-89.096) 70.25,-88.959 70.25,-75.725 68.725,-74.2 v1(68.725,-70.425)
  Bottom Layer w0.3: 06x01_Conector_Male_M0.3@-64.942,-105.511 -64.942,-105.45 -61.663,-102.171 -35.488,-102.171 -32.588,-99.271 ; 06x01_Conector_Male_M1.3@-64.561,-87.858 -64.325,-87.858 -62.288,-85.821 -31.95,-85.821 ; DRIBLE-MC.2@-36.113,-67.411 -35.653,-67.871 -27.988,-67.871 -27.342,-68.517 -23.997,-68.517 -22.998,-69.517 -22.998,-71.027 -22.325,-71.7 -22.3,-71.675 v1(-21.64,-71.675) ; v1(-34.737,-140.486) v1(-28.387,-140.486) -21.314,-140.486 v1(-21.175,-140.625) -14.825,-140.625 v1@-14.725,-140.525 ; -32.563,-99.246 -31.913,-98.596 v1(-29.863,-98.596) ; -31.836,-85.9 -28.236,-89.5 -27.614,-89.5 -27.175,-89.061 -27.175,-88.318 DISCO_P2.22@-26.588,-87.731 ; v1(-30.325,-137.425) -30.325,-136.95 -29.4,-136.025 v1(-29.4,-131.775) ; -20.825,-74.65 -19.9,-75.575 -12.361,-75.575 -12.261,-75.675 -11.639,-75.675 -11.539,-75.575 -6.95,-75.575 v1(-4.75,-77.775) ; -3.825,-112.571 -3.825,-126.925 -0.73,-130.02 -0.73,-135.033 -4.975,-139.277 -4.975,-140.575 v1(-4.675,-140.875) -3.955,-140.875 -1.326,-143.504 SD1.4@-1.326,-144.27 ; v1(10.275,-109.175) v1@14.975,-109.175 ; v1(10.275,-108.5) v1@14.85,-108.5 ; DISCO_P1.3@26.752,-110.591 v1@63.4,-110.591 ; 06x01_Conector_Male_M2.3@65.868,-87.223 68.239,-87.223 70.237,-89.221 70.362,-89.096 v1(70.387,-89.096) ; 06x01_Conector_Male_M3.3@65.868,-69.443 67.834,-69.443 v1@68.895,-70.505
  other v1: -4.617,-110.845 -6.395,-110.718 -6.903,-108.432 -4.363,-108.432
pads on no net: DISCO_P1.6 DISCO_P1.9 DISCO_P1.25 DISCO_P1.26 DISCO_P1.27 DISCO_P1.28 DISCO_P1.30 DISCO_P1.33 DISCO_P1.34 DISCO_P1.41 DISCO_P1.43 DISCO_P1.48 DISCO_P2.3 DISCO_P2.4 DISCO_P2.7 DISCO_P2.8 DISCO_P2.9 DISCO_P2.10 DISCO_P2.16 DISCO_P2.17 DISCO_P2.18 DISCO_P2.21 DISCO_P2.29 DISCO_P2.30 DISCO_P2.32 DISCO_P2.34 DISCO_P2.39 DISCO_P2.41 DISCO_P2.42 DISCO_P2.44 IC3.2 IC3.3 IC3.4 IC3.5 IC3.6 IC3.7 IC3.14 IC3.15 IC3.16 IC3.17 IC3.19 IC3.21 IC4.2 IC4.7 KICK.1 KICK.2 KICK.3 SD1.1 SD1.8 SD1.M1 SD1.M2 SD1.M3 SD1.M4

## Polygon pours and split planes (outlines as drawn)
GND on Top Layer "Top Layer-No Net" (solid, remove dead copper, pour order 123): 91.522,4.09 86.422,-1.519 86.422,-161.541 -103.293,-161.541 -109.186,-155.061 -98.42,-143.221 -98.42,1.098
NetFM_M0_2 on Top Layer "Top Layer-No Net" (solid, remove dead copper, pour order 118): -49.956,-104.958 -49.956,-111.5 -54.005,-111.5 -54.005,-104.958
NetFM_M1_2 on Top Layer "Top Layer-No Net" (solid, remove dead copper, pour order 114): -49.829,-91.668 -49.829,-87.295 -53.766,-87.295 -53.766,-93.925 -49.829,-93.925
VCC on Top Layer "Top Layer-No Net" (solid, remove dead copper, pour order 76): 8.591,-107.543 8.591,-110.591 1.352,-110.591 1.352,-111.861 -10.205,-111.861 -10.205,-110.972 -15.539,-110.972 -15.539,-108.559 -10.205,-108.559 -10.205,-107.543
VBAT on Top Layer "Top Layer-No Net" (solid, remove dead copper, pour order 68): 10.242,-116.116 3.384,-116.116 3.384,-121.061 10.242,-121.061
NetBAT_0 on Top Layer "Top Layer-No Net" (solid, remove dead copper, pour order 64): 51.425,-131.7 52.5,-130.625 52.5,-124.505 51.687,-123.672 44.628,-123.672 43.803,-124.497 43.803,-126.622 39.068,-131.357 31.707,-138.327 24.659,-138.3 21.831,-138.3 20.596,-137.065 20.596,-130.588 14.627,-130.588 14.627,-137.038 13.609,-138.256 10.944,-138.246 10.944,-146.051 34.284,-146.051 48.939,-131.612 49.027,-131.7
VBAT on Top Layer "Top Layer-No Net" (solid, remove dead copper, pour order 44): 57.232,-53.822 56.724,-54.33 49.479,-54.33 49.479,-75.031 49.479,-89.255 50.591,-90.271 54.692,-90.271 54.692,-97.372 55.085,-97.764 56.978,-97.764 57.232,-98.018 57.232,-100.177 56.851,-100.558 51.529,-100.558 50.591,-99.621 50.591,-94.97 50.12,-94.589 38.563,-94.589 37.166,-95.986 37.166,-125.198 29.165,-133.226 29.165,-136.644 28.311,-137.925 22.024,-137.925 21.15,-137.051 21.15,-132.742 19.776,-130.931 15.544,-130.931 13.277,-133.198 -13.761,-133.226 -13.763,-133.197 -15.16,-131.8 -15.159,-123.926 -16.428,-122.656 -16.428,-122.531 -43.142,-122.531 -50.72,-122.531 -53.004,-122.531 -53.676,-121.92 -53.676,-118.872 -53.004,-118.2 -49.956,-118.2 -49.46,-117.703 -49.461,-80.619 -49.448,-80.619 -49.956,-80.111 -56.56,-80.111 -57.07,-79.603 -57.07,-76.047 -56.433,-75.418 -50.045,-75.418 -49.405,-74.777 -49.448,-54.945 -49.956,-54.33 -55.29,-54.33 -55.864,-53.757 -55.864,-50.713 -55.29,-50.139 -49.829,-50.139 -49.349,-49.631 -49.346,-45.718 -41.83,-38.201 -34.07,-38.201 -31.922,-36.077 -31.922,-23.977 -30.906,-22.961 -27.223,-22.961 -26.207,-23.977 -26.207,-40.995 -29.242,-44.03 -38.132,-44.03 -40.56,-46.458 -40.56,-82.651 -40.56,-114.401 -39.29,-115.671 -15.793,-115.671 -15.793,-111.099 -11.729,-111.099 -11.729,-115.671 -8.808,-118.592 -8.808,-125.323 -8.454,-125.65 5.16,-125.65 5.16,-121.061 8.97,-121.061 8.97,-125.65 25.688,-125.65 30.511,-120.827 30.563,-92.43 33.482,-89.511 39.45,-89.509 39.45,-52.971 42.386,-49.551 56.47,-49.551 57.232,-50.313
DA on Top Layer "Top Layer-No Net" (solid, remove dead copper, pour order 3): -67.228,-68.825 -58.54,-68.825 -58.54,-66.141 -67.228,-66.141
MA_M1 on Top Layer "Top Layer-No Net" (solid, remove dead copper, pour order 13): -66.55,-94.325 -66.55,-91.785 -61.47,-91.785 -58.549,-91.785 -58.549,-94.325 -61.47,-94.325
MA_M2 on Top Layer "Top Layer-No Net" (solid, remove dead copper, pour order 21): 67.37,-80.947 62.29,-80.947 59.496,-80.947 59.496,-83.487 62.29,-83.487 67.37,-83.487
NetFM_M2_2 on Top Layer "Top Layer-No Net" (solid, remove dead copper, pour order 120): 54.565,-88.025 54.565,-81.437 50.374,-81.437 50.374,-83.215 50.374,-88.025
NetC1_2 on Top Layer "Top Layer-No Net" (solid, remove dead copper, pour order 27): 10.242,-114.909 10.242,-116.433 6.813,-116.433 6.813,-114.909
NetC1_M3_2 on Top Layer "Top Layer-No Net" (solid, remove dead copper, pour order 25): 54.799,-68.407 54.75,-68.456 54.75,-70.7 57.211,-70.7 59.622,-68.407 62.292,-68.407 62.292,-65.867 59.556,-65.867 57.585,-63.7 54.849,-63.65 54.799,-63.7
MB_M2 on Top Layer "Top Layer-No Net" (solid, remove dead copper, pour order 22): 67.392,-78.335 62.312,-78.335 59.518,-78.335 59.518,-80.875 62.312,-80.875 62.328,-80.859 67.392,-80.859
NetC1_M1_2 on Top Layer "Top Layer-No Net" (solid, remove dead copper, pour order 14): -58.675,-89.001 -57.195,-87.223 -54.823,-87.223 -54.8,-87.2 -54.8,-93.5 -57.225,-93.5 -58.575,-91.541 -59.608,-91.541 -61.513,-91.541 -61.513,-89.001
NetFM_M3_2 on Top Layer "Top Layer-No Net" (solid, remove dead copper, pour order 122): 54.147,-70.675 54.147,-63.616 50.224,-63.616 50.224,-70.675
NetC1_2 on Top Layer "Top Layer-No Net" (solid, remove dead copper, pour order 26): 3.257,-114.782 3.257,-117.322 -2.331,-117.322 -2.331,-114.782
MA_M3 on Top Layer "Top Layer-No Net" (solid, remove dead copper, pour order 23): 67.5,-63.099 59.487,-63.099 59.487,-65.506 67.5,-65.506
MB_M3 on Top Layer "Top Layer-No Net" (solid, remove dead copper, pour order 24): 67.427,-60.32 62.347,-60.32 59.553,-60.32 59.553,-62.86 62.347,-62.86 67.427,-62.86
MB_M1 on Top Layer "Top Layer-No Net" (solid, remove dead copper, pour order 12): -66.525,-96.75 -66.525,-94.21 -58.524,-94.21 -58.524,-96.75
MA_M0 on Top Layer "Top Layer-No Net" (solid, remove dead copper, pour order 11): -67.228,-111.861 -67.228,-109.321 -62.148,-109.321 -58.54,-109.321 -58.54,-111.861 -62.148,-111.861
MB_M0 on Top Layer "Top Layer-No Net" (solid, remove dead copper, pour order 10): -67.25,-115.099 -67.251,-112.01 -62.171,-112.01 -58.563,-112.01 -58.563,-115.099
NetC1_M0_2 on Top Layer "Top Layer-No Net" (solid, remove dead copper, pour order 15): -58.581,-106.781 -57.409,-104.958 -55.175,-104.958 -55.175,-111.525 -57.409,-111.52 -58.604,-109.321 -59.608,-109.321 -62.148,-109.321 -62.148,-106.781
NetC1_M2_2 on Top Layer "Top Layer-No Net" (solid, remove dead copper, pour order 20): 55.864,-87.939 55.9,-87.975 57.875,-87.975 57.875,-87.925 59.7,-86.06 62.586,-86.06 62.586,-83.52 59.51,-83.52 57.586,-81.55 55.889,-81.55 55.864,-81.525
NetCON_DM_1 on Top Layer "Top Layer-No Net" (solid, remove dead copper, pour order 1): -58.601,-63.601 -57.025,-62.025 -54.425,-62.025 -54.425,-67.7 -56.991,-67.7 -58.498,-66.141 -61.767,-66.141 -61.767,-63.601
DB on Top Layer "Top Layer-No Net" (solid, remove dead copper, pour order 2): -67.228,-71.475 -58.54,-71.475 -58.54,-68.935 -67.228,-68.935
NetDF_2 on Top Layer "Top Layer-No Net" (solid, remove dead copper, pour order 0): -53.575,-62.05 -53.575,-68.173 -49.892,-68.173 -49.892,-62.05
GND on Bottom Layer "Top Layer-No Net" (solid, remove dead copper, pour order 112): 118.446,11.837 118.446,-164.693 118.7,-164.947 113.747,-169.9 -103.804,-169.9 -103.804,-2.133 -94.406,7.265
DA on Bottom Layer "Top Layer-No Net" (solid, remove dead copper, pour order 5): -67.228,-66.143 -58.54,-66.143 -58.54,-68.683 -67.228,-68.683
MA_M2 on Bottom Layer "Top Layer-No Net" (solid, remove dead copper, pour order 19): 67.397,-80.685 62.317,-80.685 59.523,-80.685 59.523,-83.225 62.317,-83.225 67.397,-83.225
MB_M0 on Bottom Layer "Top Layer-No Net" (solid, remove dead copper, pour order 9): -67.194,-115.074 -67.194,-112.135 -62.114,-112.135 -58.506,-112.135 -58.506,-115.074
MB_M1 on Bottom Layer "Top Layer-No Net" (solid, remove dead copper, pour order 7): -67.15,-97.15 -67.15,-94.435 -62.07,-94.435 -58.462,-94.435 -58.462,-97.15
MA_M3 on Bottom Layer "Top Layer-No Net" (solid, remove dead copper, pour order 17): 67.351,-63.035 62.271,-63.035 59.477,-63.035 59.477,-65.725 67.351,-65.725
MB_M3 on Bottom Layer "Top Layer-No Net" (solid, remove dead copper, pour order 16): 67.389,-60.155 59.515,-60.155 59.515,-63.025 62.309,-63.025 67.389,-63.025
MB_M2 on Bottom Layer "Top Layer-No Net" (solid, remove dead copper, pour order 18): 67.389,-77.949 62.386,-77.949 59.515,-77.949 59.515,-80.55 62.325,-80.55 67.389,-80.55
NetBAT_0 on Bottom Layer "Top Layer-No Net" (solid, remove dead copper, pour order 28): 49.028,-131.725 52.35,-131.725 52.35,-123.672 43.911,-123.672 43.911,-126.089 31.493,-138.507 21.815,-138.542 20.482,-137.208 20.482,-132.509 19.466,-131.493 15.656,-131.493 14.64,-132.382 14.64,-137.208 13.497,-138.351 10.957,-138.351 10.957,-146.225 14.894,-146.209 28.229,-146.209 28.245,-146.225 34.604,-146.149
NetC1_2 on Bottom Layer "Top Layer-No Net" (solid, remove dead copper, pour order 70): 10.623,-111.861 10.623,-113.512 8.718,-113.512 8.718,-116.73 1.352,-116.73 1.352,-115.163 6.813,-115.163 6.813,-111.861 10.496,-111.861
VCC on Bottom Layer "Top Layer-No Net" (solid, remove dead copper, pour order 80): -3.728,-106.781 -7.538,-106.781 -7.538,-113.131 -3.728,-113.131
MA_M1 on Bottom Layer "Top Layer-No Net" (solid, remove dead copper, pour order 6): -67.194,-94.125 -67.194,-91.5 -58.506,-91.5 -58.506,-94.125
MA_M0 on Bottom Layer "Top Layer-No Net" (solid, remove dead copper, pour order 8): -67.182,-111.95 -67.182,-109.271 -58.494,-109.271 -58.494,-111.95
DB on Bottom Layer "Top Layer-No Net" (solid, remove dead copper, pour order 4): -67.244,-71.425 -58.556,-71.425 -58.556,-68.885 -67.244,-68.885

## Keep-outs
Keep-Out Layer:
  lines w0.05: -84.418,-78.841 -84.365,-75.859 -84.207,-72.881 -83.945,-69.91 -83.577,-66.95 -83.105,-64.004 -82.53,-61.078 -81.851,-58.173 -81.071,-55.294 -80.189,-52.445 -79.208,-49.628 -78.127,-46.848 -76.949,-44.108 -75.676,-41.411 -74.307,-38.761 -72.846,-36.16 -71.295,-33.613 -69.654,-31.122 -67.926,-28.69 -66.114,-26.321 -64.219,-24.018 -62.244,-21.783 -60.192,-19.619 -58.064,-17.528 -55.864,-15.514 -53.594,-13.579 -51.257,-11.726 -48.856,-9.955 -46.395,-8.271 -43.875,-6.675 -41.301,-5.168 -38.675,-3.754 -36.001,-2.433 -33.282,-1.207 -30.521,-0.078 30.685,-0.078 33.436,-1.203 36.145,-2.423 38.81,-3.739 41.427,-5.147 43.993,-6.647 46.504,-8.235 48.958,-9.911 51.352,-11.673 53.682,-13.517 55.946,-15.442 58.141,-17.446 60.264,-19.525 62.312,-21.678 64.284,-23.902 66.176,-26.194 67.987,-28.55 69.713,-30.969 71.353,-33.447 72.906,-35.982 74.368,-38.569 75.738,-41.206 77.015,-43.89 78.196,-46.616 79.281,-49.383 80.268,-52.186 81.155,-55.022 81.943,-57.888 82.629,-60.78 83.213,-63.693 83.694,-66.626 84.072,-69.574 84.346,-72.533 84.516,-75.5 84.581,-78.471 84.542,-81.442 84.398,-84.411 84.15,-87.372 83.798,-90.323 83.343,-93.26 82.784,-96.179 82.124,-99.076 81.361,-101.949 80.498,-104.792 79.536,-107.604 78.476,-110.38 77.318,-113.117 76.065,-115.812 74.718,-118.461 73.279,-121.061 71.749,-123.609 70.13,-126.101 68.425,-128.535 66.635,-130.908 64.763,-133.216 62.811,-135.457 60.782,-137.627 58.677,-139.726 56.5,-141.748 54.253,-143.693 51.939,-145.558 49.561,-147.34 47.122,-149.038 44.624,-150.648 -44.46,-150.648 -46.947,-149.045 -49.376,-147.355 -51.745,-145.582 -54.05,-143.726 -56.288,-141.791 -58.458,-139.779 -60.555,-137.692 -62.579,-135.532 -64.525,-133.304 -66.393,-131.008 -68.178,-128.649 -69.88,-126.228 -71.497,-123.75 -73.025,-121.216 -74.464,-118.63 -75.811,-115.996 -77.066,-113.316 -78.225,-110.593 -79.289,-107.832 -80.256,-105.035 -81.123,-102.207 -81.892,-99.349 -82.559,-96.466 -83.126,-93.562 -83.59,-90.64 -83.952,-87.703 -84.211,-84.755 -84.366,-81.8 -84.418,-78.841

## Other copper
Bottom Layer:
  pour cut-out: -11.2,-131.85 -11.2,-149.325 5.05,-149.325 5.05,-131.85

## Silkscreen, mask and mechanical layers (free items; w line width, h text height)
Top Overlay:
  text "Off" at 50.85,-34.8 h1.4
  text "Y" at 50.675,-39.95 h1.4
  text "ROBOIME" at -14.475,-59.8 h4.5
  text "2018" at -7.8,-66.05 h4.5
  text "100nF" at -19.6,-85.025 h1.2 r270
  text "100nF" at 19.767,-109.956 h1.2 r270
  text "100nF" at 29.8,-110.21 h1.2 r270
  text "330R" at -20.523,-142.926 h2
  text "330R" at -27.498,-143.026 h2
  text "330R" at -14.198,-143.026 h2
  text "330R" at -34.125,-143.2 h2
Bottom Overlay:
  text "Speacial thanks to: / Prof Paulo Rosa / (LR)^2 / De Lima" at -25.064,-9.499 h1.52 r180
  text "SE/3 IME" at -25.318,-21.31 h2 r180
  text "GK OC" at -20.15,-24.075 h2 r180
  text "IME18 IME19" at -25.575,-27.1 h2 r180
Mechanical 1:
  the board outline again, w0.5